# Altium PCB PCB_Final.PcbDoc (part 1 of 2) (continued)
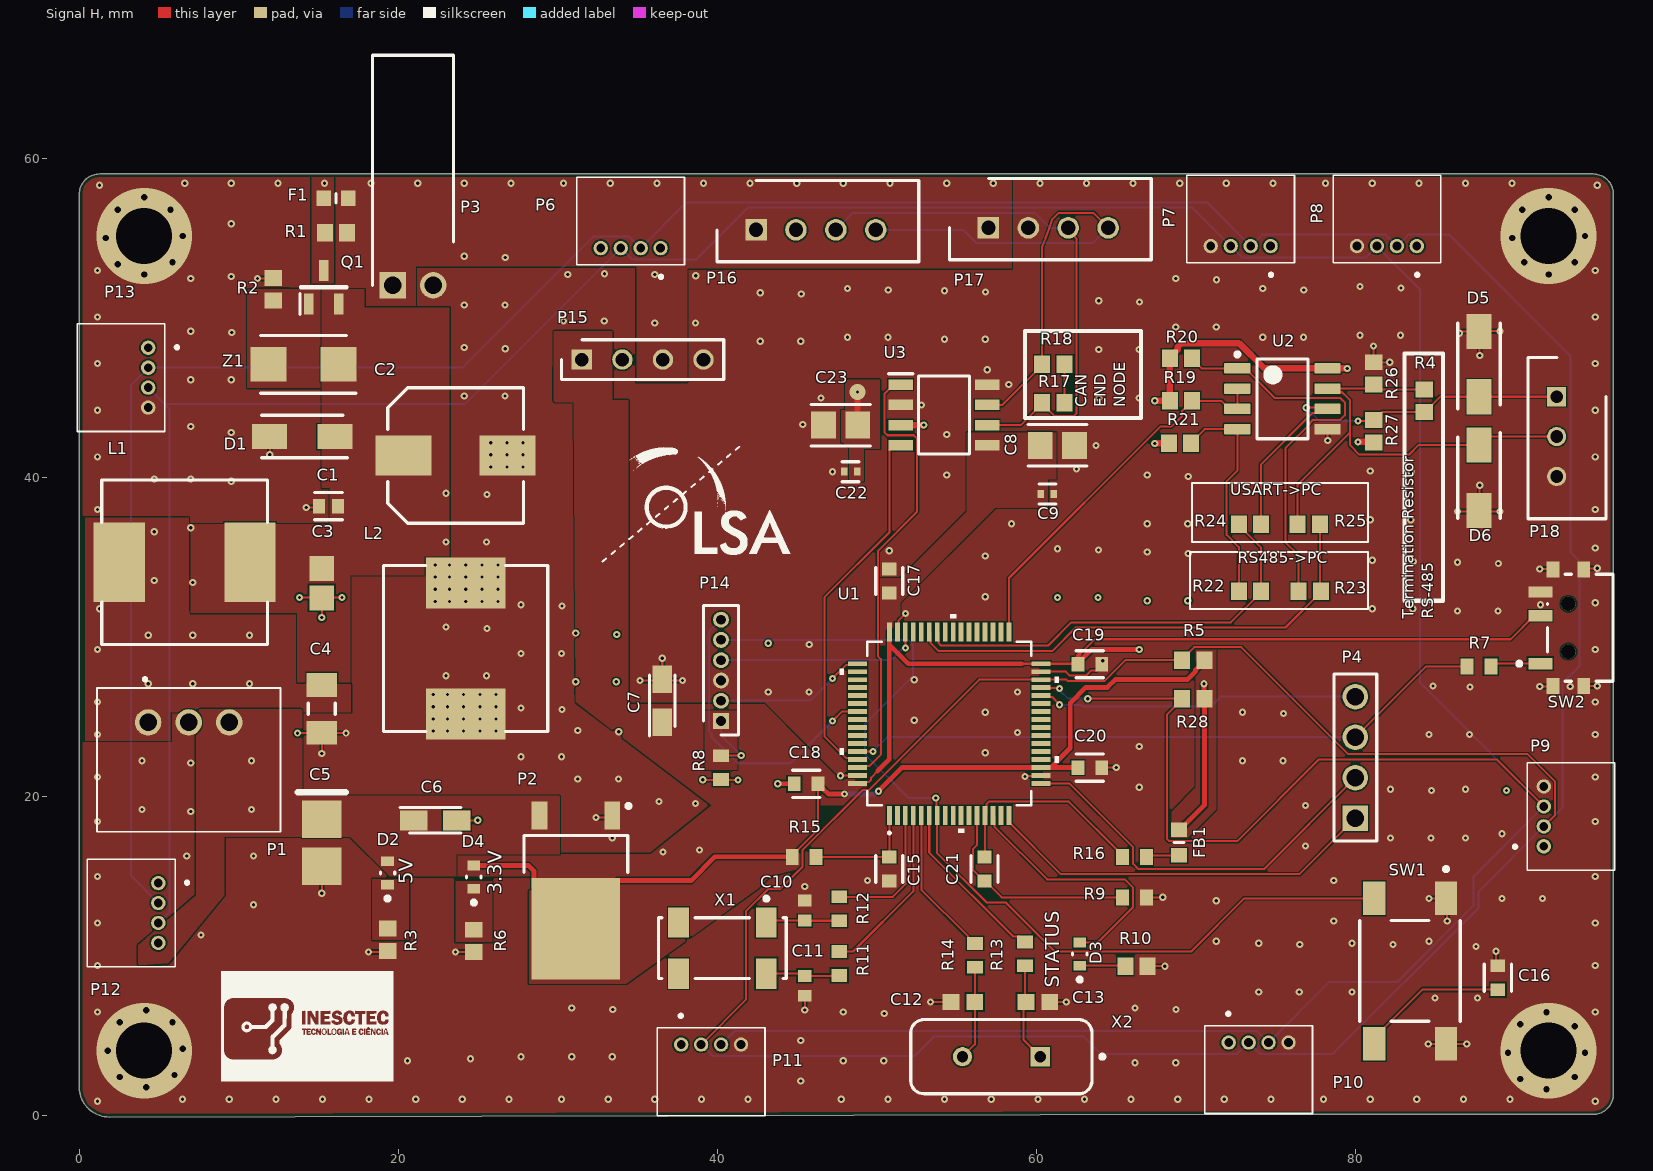
[diagram p0: Signal H view]
## Footprints (in the part's own frame and the unit in brackets; to place one, negate y for a bottom-side part, rotate by r counter-clockwise, add the part's x,y. Pads: shape width x height; smd on the part's side, far side on the other; paste and mask are expansions set on the pad) (continued)
  rect 0.7x1.5 smd paste+0 mask+0: 1(-2.25,2.5) 2(0.75,2.5) 3(2.25,2.5)
  rect 1x0.8 smd paste+0 mask+0: 4(-3.65,1.715) 5(3.65,1.715) 6(-3.65,-0.215) 7(3.65,-0.215)
  round 0.9 hole 0.9 unplated paste-1000 mask+0: ""(-1.5,0.75) ""(1.5,0.75)
  silkscreen extent -3.35,-2.05 3.35,3.95, body extent -4.25,-2.15 4.25,3.35, height 0.25
FUSC1608X95N [mm]
  rect 0.93x0.97 smd: 1(-0.77,0) 2(0.77,0)
  silkscreen extent 0,-0.3 0,0.3, body extent -0.8,-0.45 0.8,0.45, height 0.9
HDRV4W66P0X254_1X4_1016X249X838P [mm]
  rect 1.275x1.275 hole 0.85: 1(0,0)
  round 1.275 hole 0.85: 2(2.54,0) 3(5.08,0) 4(7.62,0)
  silkscreen extent -1.27,-1.25 8.89,1.25, body extent -1.27,-1.24 8.89,1.24, height 8.38
HDRV6W30P0X127_1X6_762X210X430P [mm]
  rect 1x1 hole 0.6: 1(0,0)
  round 1 hole 0.6: 2(1.27,0) 3(2.54,0) 4(3.81,0) 5(5.08,0) 6(6.35,0)
  silkscreen extent -0.88,-1.1 7.23,1.1, body extent -0.64,-1.05 6.98,1.05, height 4
LQFP64-10x10mm [mil]
  rect 47x12 smd paste+0 mask+0: 1(-226.38,147.64) 2(-226.38,127.95) 3(-226.38,108.27) 4(-226.38,88.58) 5(-226.38,68.9) 6(-226.38,49.21) 7(-226.38,29.53) 8(-226.38,9.84) 9(-226.38,-9.84) 10(-226.38,-29.53) 11(-226.38,-49.21) 12(-226.38,-68.9) 13(-226.38,-88.58) 14(-226.38,-108.27) 15(-226.38,-127.95) 16(-226.38,-147.64) 33(226.38,-147.64) 34(226.38,-127.95) 35(226.38,-108.27) 36(226.38,-88.58) 37(226.38,-68.9) 38(226.38,-49.21) 39(226.38,-29.53) 40(226.38,-9.84) 41(226.38,9.84) 42(226.38,29.53) 43(226.38,49.21) 44(226.38,68.9) 45(226.38,88.58) 46(226.38,108.27) 47(226.38,127.95) 48(226.38,147.64)
  rect 12x47 smd paste+0 mask+0: 17(-147.64,-226.38) 18(-127.95,-226.38) 19(-108.27,-226.38) 20(-88.58,-226.38) 21(-68.9,-226.38) 22(-49.21,-226.38) 23(-29.53,-226.38) 24(-9.84,-226.38) 25(9.84,-226.38) 26(29.53,-226.38) 27(49.21,-226.38) 28(68.9,-226.38) 29(88.58,-226.38) 30(108.27,-226.38) 31(127.95,-226.38) 32(147.64,-226.38) 49(147.64,226.38) 50(127.95,226.38) 51(108.27,226.38) 52(88.58,226.38) 53(68.9,226.38) 54(49.21,226.38) 55(29.53,226.38) 56(9.84,226.38) 57(-9.84,226.38) 58(-29.53,226.38) 59(-49.21,226.38) 60(-68.9,226.38) 61(-88.58,226.38) 62(-108.27,226.38) 63(-127.95,226.38) 64(-147.64,226.38)
  silkscreen extent -273,-270 270,270, body extent -236,-236 236,236, height 63
NIC-CAPA2-8X10_V [mm] "Aluminum Electrolytic Capacitor, Diameter 8mm, Height 10.8mm, Pitch 6.5mm"
  rect 3.5x2.5 smd: 1(-3.25,0) 2(3.25,0)
  silkscreen extent -4.25,-4.25 4.25,4.25, body extent -3.99,-3.97 3.99,4, height 10.8
RESC1608X55X25ML10T15 [mm] "Chip Resistor, 2-Leads, Body 1.60x0.80mm, IPC Low Density"
  rect 0.8x1 smd: 1(-0.75,0) 2(0.75,0)
  body extent -0.85,-0.45 0.85,0.45, height 0.55
RESC1608X55X30ML20T20 [mm] "Chip Resistor, 2-Leads, Body 1.60x0.80mm, IPC Low Density"
  rect 1x1.1 smd: 1(-0.7,0) 2(0.7,0)
  body extent -0.9,-0.5 0.9,0.5, height 0.55
SHDR3W60P0X250_1X3_990X490X590P [mm]
  rect 1.2x1.2 hole 0.8: 1(0,0)
  round 1.2 hole 0.8: 2(-2.5,0) 3(-5,0)
  silkscreen extent -7.65,-3.1 2.45,1.8, body extent -7.45,-2.45 2.45,2.45, height 5.9
SHDR4W70P0X250_1X4_1240X490X610P [mm]
  rect 1.35x1.35 hole 0.9: 1(0,0)
  round 1.35 hole 0.9: 2(-2.5,0) 3(-5,0) 4(-7.5,0)
  silkscreen extent -10.2,-3.1 2.45,2, body extent -9.95,-2.45 2.45,2.45, height 6.1
SHDRRA2W64P0X254_1X2_508X1170X580P [mm]
  rect 1.65x1.65 hole 1.1: 1(0,0)
  round 1.65 hole 1.1: 2(2.54,0)
  silkscreen extent -1.27,0 3.81,14.42, body extent -1.27,-0.17 3.81,14.57, height 5.67
SOIC127P600X175-8N [mm]
  rect 1.525x0.65 smd: 1(-2.712,1.905) 2(-2.712,0.635) 3(-2.712,-0.635) 4(-2.712,-1.905) 5(2.712,-1.905) 6(2.712,-0.635) 7(2.712,0.635) 8(2.712,1.905)
  silkscreen extent -3.47,-2.45 1.6,2.58, body extent -3,-2.45 3,2.45, height 1.75
SOT95P237X112-3N [mm]
  rect 1.3x0.6 smd: 1(-1.05,0.95) 2(-1.05,-0.95) 3(1.05,0)
  silkscreen extent -1.7,-1.46 0.05,1.5, body extent -1.18,-1.46 1.18,1.46, height 1.12
TO228P991X238-3N [mm]
  rect 1.75x1 smd: 1(-4.7,2.285) 3(-4.7,-2.285)
  rect 6.35x5.55 smd: 4(2.4,0)
  silkscreen extent -5.42,-3.25 -1.15,3.43, body extent -4.95,-3.29 4.95,3.29, height 2.3
V78052000 [mm]
  round 1.65 hole 1.1: 1(0,0) 2(2.54,0) 3(5.08,0)
  silkscreen extent -3.21,-6.85 8.29,2.8, body extent -3.21,-6.85 8.29,2.15, height 17.6

## Part data
C1: library part CMP-2006-02256-2, "CAP CER 4.7UF 6.3V X5R 0603", Manufacturer=Kemet, Manufacturer Part Number=C0603C475K9PACTU, Package=C0603-CG, Temperature="-55°C to +85°C", Temperature Characteristic=X5R, Temperature Coefficient=15%, Temperature Range High=+85°C, Temperature Range Low=-55°C, Tolerance=10%, Voltage Rating=6.3V, Automotive=No, Capacitance=4.7uF, Category=Cap, ComponentLink2Description=Datasheet, ComponentLink2URL=https://content.kemet.com/datasheets/KEM_C1006_X5R_SMD.pdf, Device Class L1="Passive Components", Device Class L2=Capacitors, Device Class L3="Ceramic Capacitors", Digikey Description="CAP CER 4.7UF 6.3V X5R 0603", Height=0.9mm, Ipc Land Pattern Name=CAPC16080X80, Lead Free=Yes, Material=Ceramic, Mouser Description="Multilayer Ceramic Capacitors MLCC - SMD/SMT 6.3volts 4.7uF X5R 10%", Octopart=https://octopart.com/c0603c475k9pactu-kemet-104242, RoHS=TRUE
C2: library part CMP-0687-00068-1, "Aluminum Electrolytic Capacitor, UD Series, Low Impedance, 330 uF, 25 V, + / - 20%, -55 to 105 degC, Chip Type, 8 x 10 mm D x L, Pb-Free, Reel", Manufacturer=Nichicon, PartNumber=UUD1E331MNL1GS, Rated Capacitance="330 uF", Rated Ripple Current (at 100kHz)="450 mA", Rated Voltage="25 V", Tolerance Rated Capacitance="-20 to 20%", ComponentLink1Description="Manufacturer URL", ComponentLink1URL=http://www.nichicon.co.jp/, ComponentLink2Description=Datasheet, ComponentLink2URL=http://products.nichicon.co.jp/en/pdf/XJA043/e-ud.pdf, ComponentLink3Description="Package Specification", ComponentLink3URL=http://products.nichicon.co.jp/en/pdf/XJA043/e-ud.pdf, DatasheetVersion=08/2012, Diameter="8 mm", Endurance Time="5000 h", Impedance="0.17 Ohm", Length="10 mm", Mounting Technology="Surface Mount", PackageDescription="2-Pin Surface Mount Device, Diameter 8 mm, Height 10 mm, Pitch 6.5 mm", PackageReference=CAPAE-D8H10, Packing="Dia382mm Reel", RoHS=TRUE
C3: library part CMP-2007-04514-1, Manufacturer="AVX Interconnect / Elco", Part Number=08053C225KAT2A
C4: library part CMP-2000-04991-1, "Chip Capacitor, 1 uF, +/- 10%, 25 V, -55 to 125 degC, 1206 (3216 Metric), RoHS, Tape and Reel", Capacitance=1uF, Capacitance - nF=1000nF, Case Code - in=1206, Case Code - mm=3216, Case Height=1.6mm, Case Length=3.2mm, Dielectric=X7R, Manufacturer=Kemet, Maximum Operating Temperature=+125C, Minimum Operating Temperature=-55C, Operating Temperature Range=-55Cto+125C, Package / Case=1206(3216metric), Package Description="2-Pin Surface Mount Device, Body 3.2 x 1.6 mm", Temperature Coefficient / Code=+/-15%, Tolerance=10%, Voltage Rating=25V, Brand=Kemet, Case Width=1.6mm, Class=Class1, Datasheet URL=https://ciiva.com/datasheet-click-18194173?src=ciiva&sig=6daff8c4, Datasheet Version=Jul-14, Dimensions=1.6mmWx3.2mmLx1.6mmH, Factory Pack Quantity=2000, Manufacturer URL=http://www.kemet.com/, Package Reference=1206, Packaging=Reel, Product=GeneralTypeMLCCs, Product Category=MultilayerCeramicCapacitorsMLCC-SMD/SMT, RoHS=Details, Series=C1206C, Termination Style=SMD/SMT, Type=SMDMLCCX7R6.3-250VDCCommericalGrade, Voltage Rating Dc=25V
C5: library part CMP-2100-03689-1, "Standard Tantalum, 22 uF, +/- 10%, 16 V, -55 to 125 degC, 2-Pin SMD (1210), RoHS, Tape and Reel", Case Code (Imperial)=1210, Case Code (Metric)=3528, Dielectric Material=Tantalum, ESR (Equivalent Series Resistance)=2.3Ohm, Leakage Current=3.5uA, Manufacturer=AVX, Max Operating Temperature=125degC, Min Operating Temperature=-55degC, Package Description="2-Pin Surface Mount Device, Body 3.5 x 2.85 mm", Package Quantity=1, Package Reference=TAJ-B-2, Tolerance=10%, Voltage=16V, Capacitance=22uF, Case/Package=1210, Datasheet URL=http://datasheets.avx.com/TAJ.pdf, Datasheet Version=42401.0, Depth=2.8mm, Dissipation Factor=6%, Height=1.9mm, Height - Seated (Max)=0.083inch, Lead Free=LeadFree, Length=3.5mm, Manufacturer URL=http://www.avx.com/, Number of Pins=2, Packaging=TapeandReel, Polarity=Polar, Radiation Hardening=No, REACH SVHC=NoSVHC, RoHSCompliant=True, Termination=SMD/SMT, Voltage Rating=16V, Voltage Rating (DC)=16V, Width=2.8mm
C6 C7: library part T491A106K020AT, "Capacitor Polarised", Manufacturer_Name=Kemet, Mouser Part Number=80-T491A106K020AT, Arrow Part Number=T491A106K020AT, Arrow Price/Stock=https://www.arrow.com/en/products/t491a106k020at/kemet-corporation, Datasheet Link=https://4donline.ihs.com/images/VipMasterIC/IC/KEME/KEME-S-A0006487387/KEME-S-A0006487387-1.pdf?hkey=52A5661711E402568146F3353EA87419, Height=1.8mm, Manufacturer_Part_Number=T491A106K020AT, Mouser Price/Stock=https://www.mouser.co.uk/ProductDetail/KEMET/T491A106K020AT?qs=TooEEMgOWu79qKWrUr4%2FRg%3D%3D
C8 C23: library part CMP-08246-003443-1, "Multilayer Ceramic Capacitors 10uF ±10% 16V X5R SMD 1206", Case Code (Imperial)=1206, Case Code (Metric)=3216, Dielectric=X5R, Dielectric Material=Ceramic, Max Operating Temperature=85°C, Min Operating Temperature=-55°C, Package Quantity=1, Tolerance=10%, Voltage=16V, Capacitance=10uF, Case/Package=1206, Construction=Flat, Depth=1.6mm, Height=1.6mm, Lead Free="Lead Free", Length=3.2mm, Mount="Surface Mount", Packaging="Tape and Reel", Radiation Hardening=No, REACH SVHC="No SVHC", Resistor Type=Ceramic, RoHS Compliant=Yes, Series=C, Termination=SMD/SMT, Thickness=0.071inch, Voltage Rating=16V, Voltage Rating (DC)=16V, Weight=0.000571oz, Width=0.063inch
C9 C22: library part CMP-2100-03641-2, "CAP CER 0.1UF 16V X7R 0402", Capacitance=0.10μF, Manufacturer=Murata, Manufacturer Part Number=GRM155R71C104KA88D, Package=GRM15, Temperature="-55°C to +125°C", Temperature Characteristic=X7R, Temperature Range High=+125°C, Temperature Range Low=-55°C, Tolerance=10%, Voltage Rating=16Vdc, Category=Cap, ComponentLink2Description=Datasheet, ComponentLink2URL=https://search.murata.co.jp/Ceramy/image/img/A01X/G101/ENG/GRM155R71H471KA01-01A.pdf, Device Class L1="Passive Components", Device Class L2=Capacitors, Device Class L3="Ceramic Capacitors", Digikey Description="CAP CER 0.1UF 16V X7R 0402", Height=0.55mm, Ipc Land Pattern Name=CAPC10050X219, Lead Free=yes, Material=Ceramic, Mouser Description="0402 0.1 uF 16V ±10 % Tolerance X7R SMT Multilayer Ceramic Capacitor", Octopart=https://octopart.com/grm155r71c104ka88d-murata-196880, RoHS=TRUE, Standoff Height=0mm
C10 C11: library part CMP-2006-02448-1, "0603", Manufacturer=Murata, Part Number=GQM1885C2A4R3BB01D
C12 C13: library part CMP-2006-04264-1, Manufacturer="AVX Interconnect / Elco", Part Number=06035A200JAT2A
C15: library part CMP-1035-02737-2, "CAP CER 1UF 16V X5R 0603", Manufacturer=YAGEO, Manufacturer Part Number=CC0603KRX5R7BB105, Package=CC0603-DA, Temperature="-55°C to +125°C", Temperature Characteristic=X5R, Temperature Coefficient=15%, Temperature Range High=+125°C, Temperature Range Low=-55°C, Tolerance=0.1, Voltage="16 V", Automotive=No, Capacitance="1 uF", Category=Cap, ComponentLink2Description=Datasheet, ComponentLink2URL=http://www.yageo.com/documents/recent/UPY-GPHC_X7R_6.3V-to-50V_18.pdf, Device Class L1="Passive Components", Device Class L2=Capacitors, Device Class L3="Ceramic Capacitors", Digikey Description="CAP CER 1UF 16V X5R 0603", Footprint Url=http://www.yageo.com/exep/pages/download/literatures/UPY-C_GEN_24.pdf, Height=0.9mm, Lead Free=Yes, Material=Ceramic, Mouser Description="Multilayer Ceramic Capacitors MLCC - SMD/SMT 1.0uF 16V X5R 10%", Octopart=https://octopart.com/cc0603krx5r7bb105-yageo-8376530, RoHS=TRUE, Voltage Rating="16 V"
C16 C17 C18 C19 C20 C21: library part CMP-2100-03601-2, "CAP CER 0.1UF 50V X7R 0603", Manufacturer=YAGEO, Manufacturer Part Number=CC0603KRX7R9BB104, Package=CC0603-DA, Temperature="-55°C to +125°C", Temperature Characteristic=X7R, Temperature Coefficient=15%, Temperature Range High=+125°C, Temperature Range Low=-55°C, Tolerance=0.1, Voltage="50 V", Automotive=No, Capacitance="100 nF", Category=Cap, ComponentLink2Description=Datasheet, ComponentLink2URL=http://www.yageo.com/documents/recent/UPY-GPHC_X7R_6.3V-to-50V_18.pdf, Device Class L1="Passive Components", Device Class L2=Capacitors, Device Class L3="Ceramic Capacitors", Digikey Description="CAP CER 0.1UF 50V X7R 0603", Footprint Url=http://www.yageo.com/exep/pages/download/literatures/UPY-C_GEN_24.pdf, Height=0.9mm, Lead Free=Yes, Material=Ceramic, Mouser Description="Multilayer Ceramic Capacitor, CC Series, 0.1 - F, - 10%, X7R, 50 V, 0603 [1608 Metric]", Octopart=https://octopart.com/cc0603krx7r9bb104-yageo-42244635, RoHS=TRUE, Voltage Rating="50 V"
D1 D5 D6: "TVS Diode (Uni-directional)", Manufacturer_Name=Vishay, Manufacturer_Part_Number=SMAJ8.5A-M3/61, Datasheet Link=http://www.alldatasheet.com/view.jsp?Searchword=SMAJ8.5A-M3/61, Height=2.29mm
D2 D3 D4: library part CMP-02520-000009-1, "LED GREEN 0603 SMD", Ambient Temperature Range High=+100°C, Ambient Temperature Range Low=-40°C, Colour="Pure green", Forward Current=20mA, Forward Voltage=2.1V, Manufacturer=Vishay, Manufacturer Part Number=TLMP1100-GS08, Max Junction Temp=+120°C, Package=6.541-5056.01-4, Power Dissipation=90mW, Reverse Voltage=6V, Temperature="to +120°C", Automotive=Yes, Automotive Grade="Grade 3", Category=Diode, ComponentLink2Description=Datasheet, ComponentLink2URL=http://www.vishay.com/docs/83173/tlmb1100.pdf, Device Class L1=Optoelectronics, Device Class L2=LEDs, Device Class L3=unset, Digikey Description="LED GREEN 0603 SMD", Height=0.65mm, Lead Free=Yes, Led Orientation="Top View", Luminous Intensity=15mcd, Mouser Description="Standard LEDs - SMD Pure Green", Octopart=https://octopart.com/tlmp1100-gs08-vishay-55433993, Peak Emmision Wavelength=562nm, RoHS=TRUE, Temperature Range High=+120°C, Viewing Angle=160°, Wavelength=561nm
F1: "Fuse", Manufacturer_Name=Bourns, Mouser Part Number=652-SF-0603SA200M-2, Datasheet Link=https://www.bourns.com/docs/product-datasheets/sf-0603sa-m.pdf?sfvrsn=b5654bf6_7, Height=0.95mm, Manufacturer_Part_Number=SF-0603SA200M-2, Mouser Price/Stock=https://www.mouser.co.uk/ProductDetail/Bourns/SF-0603SA200M-2?qs=ljCeji4nMDnUko368dFg%2Fg%3D%3D
FB1: library part MMZ1608S601ATD25, "Ferrite Bead", Manufacturer_Name=TDK, Mouser Part Number=810-MMZ1608S601ATD25, Arrow Part Number=MMZ1608S601ATD25, Arrow Price/Stock=https://www.arrow.com/en/products/mmz1608s601atd25/tdk, Datasheet Link=https://datasheet.datasheetarchive.com/originals/dk/DKDS-25/489214.pdf, Height=0.95mm, Manufacturer_Part_Number=MMZ1608S601ATD25, Mouser Price/Stock=https://www.mouser.co.uk/ProductDetail/TDK/MMZ1608S601ATD25?qs=pvNC7ksEVIeMnkuqWHgErw%3D%3D
L1 L2: library part CMP-1387-00004-1, "SMD Power Inductor WE-PD HV, L=1000 µH", Inductance="1000 ÂµH", Manufacturer="Wuerth Elektronik", PartNumber=7687714102, ComponentLink1Description="Manufacturer URL", ComponentLink1URL=http://www.we-online.com, ComponentLink2Description=Datasheet, ComponentLink2URL=http://www.we-online.de/katalog/media/pdf/7687714102.pdf, PackageReference=1060
P1: "Power Supply", Manufacturer_Name="CUI Inc.", Mouser Part Number=490-V7805-2000, Arrow Part Number=V7805-2000, Arrow Price/Stock=https://www.arrow.com/en/products/v7805-2000/cui-inc?region=nac, Datasheet Link=https://componentsearchengine.com/Datasheets/1/V7805-2000.pdf, Height=17.5mm, Manufacturer_Part_Number=V7805-2000, Mouser Price/Stock=https://www.mouser.co.uk/ProductDetail/CUI-Inc/V7805-2000?qs=WyjlAZoYn5278Y2RvahTNg%3D%3D
P2: library part LM1117DT-3.3_NOPB, "Integrated Circuit", Arrow Part Number=LM1117DT-3.3/NOPB, Manufacturer_Name="Texas Instruments", Mouser Part Number=926-LM1117DT-3.3NOPB, Arrow Price/Stock=https://www.arrow.com/en/products/lm1117dt-3.3nopb/texas-instruments, Datasheet Link=https://datasheet.datasheetarchive.com/originals/distributors/Datasheets-SFU2/DSASFU100036103.pdf, Height=2.38mm, Manufacturer_Part_Number=LM1117DT-3.3/NOPB, Mouser Price/Stock=https://www.mouser.co.uk/ProductDetail/Texas-Instruments/LM1117DT-33-NOPB?qs=X1J7HmVL2ZHOT670myqy2w%3D%3D
P3: "Connector", Manufacturer_Name=Molex, Mouser Part Number=538-22-12-4022, Datasheet Link=https://www.molex.com/pdm_docs/sd/022124022_sd.pdf, Height=5.8mm, Manufacturer_Part_Number=22-12-4022, Mouser Price/Stock=https://www.mouser.co.uk/ProductDetail/Molex/22-12-4022?qs=SdQWveS8jHPGKP%2Fe4QVy2w%3D%3D
P4: library part CMP-1502-01064-1, "THT Vertical Pin Header WR-PHD, Pitch 2.54 mm, Single Row, 4 pins", Contact Resistance=20mOhm, Manufacturer="Wurth Elektronik", Operating temperature=-40to105degC, Package Reference=61300411121, Rated Current=3A, Withstanding Voltage=500VAC, Working Voltage=250VAC, Datasheet URL=https://katalog.we-online.de/em/datasheet/6130xx11121.pdf, Gender=Male, Manufacturer URL=http://www.we-online.de, Mounting Technology=THT, Orientation=Vertical, Packaging=Bag, Part Number=61300411121, Pin Number=4, Pitch=2.54mm, Publisher=WurthElektronik, Row Number=Single
P6 P7 P8 P9 P10 P11 P12 P13: "Connector", Manufacturer_Name=Molex, Mouser Part Number=538-53048-0410, Datasheet Link=https://www.molex.com/pdm_docs/sd/530480410_sd.pdf, Height=3.7mm, Manufacturer_Part_Number=53048-0410, Mouser Price/Stock=https://www.mouser.co.uk/ProductDetail/Molex/53048-0410?qs=359VwiUTsp2msj5Tobchuw%3D%3D
P14: library part M50-3530642, "Connector", Manufacturer_Name=Harwin, Mouser Part Number=855-M50-3530642, Datasheet Link=https://cdn.harwin.com/pdfs/M50-353.pdf, Height=4.3mm, Manufacturer_Part_Number=M50-3530642, Mouser Price/Stock=https://www.mouser.co.uk/ProductDetail/Harwin/M50-3530642?qs=%252BdQmOuGyFcHPs2UJx%2F79Cg%3D%3D
P15: "Connector", Manufacturer_Name=Molex, Mouser Part Number=538-22-28-4046, Datasheet Link=https://componentsearchengine.com/Datasheets/1/22-28-4046.pdf, Height=8.38mm, Manufacturer_Part_Number=22-28-4046, Mouser Price/Stock=https://www.mouser.co.uk/ProductDetail/Molex/22-28-4046?qs=GAPJcf4kvdtZsXSzVDpHFw%3D%3D
P16 P17: "Connector", Manufacturer_Name=Molex, Mouser Part Number=538-22-03-5045, Datasheet Link=https://componentsearchengine.com/Datasheets/2/22-03-5045.pdf, Height=6.1mm, Manufacturer_Part_Number=22-03-5045, Mouser Price/Stock=https://www.mouser.co.uk/ProductDetail/Molex/22-03-5045?qs=ZDXmSm13592ymm0ujoo9aQ%3D%3D
P18: "Connector", Manufacturer_Name=Molex, Mouser Part Number=538-22-03-5035, Datasheet Link=http://www.molex.com/pdm_docs/sd/022035035_sd.pdf, Height=5.9mm, Manufacturer_Part_Number=22-03-5035, Mouser Price/Stock=https://www.mouser.co.uk/ProductDetail/Molex/22-03-5035?qs=VKrXD49J9Ep%252Bv2WwbOoiPA%3D%3D
Q1: "Integrated Circuit", Manufacturer_Name=Vishay, Mouser Part Number=78-SI2301BDS-T1-BE3, Arrow Part Number=SI2301BDS-T1-BE3, Arrow Price/Stock=https://www.arrow.com/en/products/si2301bds-t1-be3/vishay?region=nac, Datasheet Link=https://www.arrow.com/en/products/si2301bds-t1-be3/vishay?region=nac, Height=1.12mm, Manufacturer_Part_Number=SI2301BDS-T1-BE3, Mouser Price/Stock=https://www.mouser.co.uk/ProductDetail/Vishay-Siliconix/SI2301BDS-T1-BE3?qs=CiayqK2gdcLKGqyOqDFpxQ%3D%3D
R1 R2 R3 R4 R5 R6 R10 R17 R18 R19 R20 R21 R22 R23 R24 R25 R26 R27 R28: library part CMP-2000-00897-1, Manufacturer=Panasonic, Part Number=ERA3AEB122V
R7 R8: library part CMP-2000-05022-1, "Resistor, 10 kOhm, +/- 5%, 100 mW, -55 to 155 degC, 0603 (1608 Metric), RoHS, Tape and Reel", Case Code - in=0603, Case Code - mm=1608, Manufacturer=Yageo, Operating Temperature Range=-55Cto+155C, Package Description="2-Pin Surface Mount Device, Body 1.6 x 0.8 mm", Package Reference=603, Power Rating=100mW, Resistance=10kOhms, Temperature Coefficient=100PPM/C, Tolerance=5%, Voltage Rating=50V, Datasheet URL=http://www.farnell.com/datasheets/443971.pdf, Datasheet Version="Rev. 4, 04/2009", Manufacturer URL=http://www.yageo.com/, Packaging=Reel, Product=ThickFilmResistorsGeneralPurpose, Series=RC, Termination Style=SMD/SMT
R9 R11 R12 R13 R14 R15 R16: library part CMP-2100-03667-1, "Chip Resistor, 0 Ohm, +/- 5%, 0.1 W, -55 to 155 degC, 0603 (1608 Metric), RoHS, Tape and Reel", Case Code (Imperial)=0603, Case Code (Metric)=1608, Manufacturer=Yageo, Max Operating Temperature=155degC, Min Operating Temperature=-55degC, Package Description="2-Pin Surface Mount Device, Body 1.6 x 0.8 mm", Package Quantity=5000, Power Rating=100mW, Resistance=0mOhm, Temperature Coefficient=200ppm/degreesC, Tolerance=5%, Voltage Rating=50V, Case/Package=0603, Composition=ThickFilm, Contact Plating=Tin, Datasheet URL=http://www.yageo.com/NewPortal/yageodocoutput?fileName=/pdf/R-Chip/PYu-RC_Group_51_RoHS_L_5.pdf, Datasheet Version="Rev. 5, 10/2016", Depth=0.8mm, Height=0.45mm, Lead Free=LeadFree, Length=1.6mm, Manufacturer URL=http://www.yageo.com/, Military Standard=Not, Number of Pins=2, Package Reference=0603, Packaging=TapeandReel, Radiation Hardening=No, REACH SVHC=NoSVHC, RoHSCompliant=true, Termination=SMD/SMT, Voltage Rating (DC)=50V, Width=0.8mm
SW1: library part CMP-03402-000005-1, "SWITCH TACTILE SPST-NO 0.05A 24V", Contact Current Rating=50mA, Contact Resistance=100mΩ, Manufacturer="TE Connectivity", Manufacturer Part Number=1571563-9, Operating Force=160gf, Package=SMT_SW_6MM0_6MM0, Temperature="-35°C to +85°C", Temperature Range High=+85°C, Temperature Range Low=-35°C, Voltage Rating Dc=24V, Automotive=No, Category=Switch, ComponentLink2Description=Datasheet, ComponentLink2URL=https://www.te.com/commerce/DocumentDelivery/DDEController?Action=showdoc&DocId=Customer+Drawing%7F2-1437565-7%7FV%7Fpdf%7FEnglish%7FENG_CD_2-1437565-7_V.pdf%7F1571563-9, Device Class L1=Electromechanical, Device Class L2=Switches, Device Class L3="Pushbutton Switches", Digikey Description="SWITCH TACTILE SPST-NO 0.05A 24V", Electromechanical Life=100000Cycles, Height=9.75mm, Lead Free=Yes, Mount="Surface Mount", Mouser Description="Tactile Switches SPST OFF(ON) RND SMT MINI PB TACT SWITCH", Octopart=https://octopart.com/1571563-9-te+connectivity-41253969, RoHS=TRUE, Standoff Height=0.05mm, Throw Configuration=SPST-NO
SW2: library part CMP-2000-06884-2, "SWITCH SLIDE SPDT 300MA 6V", Contact Current Rating=300mA, Contact Resistance=70mR, Insulation Resistance=100mR, Max Operating Temperature=85°C, Max Voltage Rating (DC)=6V, Min Operating Temperature=-20°C, Package Quantity=1, Actuator Length=1.5mm, Actuator Material=Nylon, Actuator Type=Standard, Contact Material="Copper Alloy", Contact Plating=Silver, Current Rating=300mA, Depth=5mm, Lead Free="Lead Free", Length=7.7mm, Max Current Rating=300mA, Mechanical Life=10000Cycles, Mount="Surface Mount", Orientation="Right Angle", Packaging="Tape and Reel", REACH SVHC="No SVHC", Switch Function=On-On, Switch Travel=1.5mm, Termination="Gull Wing", Throw Configuration=SPDT, Voltage Rating (AC)=6V, Voltage Rating (DC)=6V, Width=6.7mm
U1: "No Description Available", Mfr_Name=STMicroelectronics, Copyright="Copyright (C) 2021 Ultra Librarian. All rights reserved.", Manufacturer_Part_Number=STM32F103RBT6, RefDes=RefDes, Type=DEV
U2: library part CMP-0310-00139-2, "Differential Bus Transceiver, 1 TX / 1 RX, 5V, 0 to 70 degC, 8-Pin SOIC (D), Green (RoHS & no Sb/Br)", Drivers Per Package=1, Manufacturer="Texas Instruments", Rating=Catalog, Supply Voltage(s)(V)=5, # of TX/RX="1 TX / 1 RX", Code_JEDEC=MS-012AA, ComponentLink1Description=Datasheet, ComponentLink1URL=http://www.ti.com/general/docs/lit/getliterature.tsp?genericPartNumber=SN75176A&fileType=pdf, ComponentLink2Description="Package Specification", ComponentLink2URL=http://www.ti.com/lit/ml/msoi002j/msoi002j.pdf, DatasheetVersion=SLLS100A, Eco-Plan="Green (RoHS & no Sb/Br)", ESD(kV)=2, ICC(Max)(mA)=50, Isolated=No, Mounting Technology="Surface Mount", PackageDescription="8-Pin Plastic Small Outline Integrated Circuit, 4.9 x 3.9 mm, Pitch 1.27 mm Pitch", PackageReference=D0008A, PackageVersion="revM, Jun-2011", PartNumber=SN75176AD, Receivers Per Package=1, SubFamily=RS-422
U3: library part TJA1051T_3_CM,118, "Integrated Circuit", Arrow Part Number=TJA1051T/3/CM,118, Manufacturer_Name=NXP, Mouser Part Number=771-TJA1051T/3CM118, Arrow Price/Stock=https://www.arrow.com/en/products/tja1051t3cm118/nxp-semiconductors?region=nac, Datasheet Link=http://www.nxp.com/docs/en/data-sheet/TJA1051.pdf, Height=1.75mm, Manufacturer_Part_Number=TJA1051T/3/CM,118, Mouser Price/Stock=https://www.mouser.co.uk/ProductDetail/NXP-Semiconductors/TJA1051T-3-CM118?qs=5XOdhvmYM0NUkmo%252BpXvJfw%3D%3D
X1: library part CMP-2000-05036-1, "Low Frequency Crystal, 32.768 KHz, 6 pF, +/- 20 ppm, -40 to 85 degC, 4-Pin SMD, RoHS, Tape and Reel", Case Height=2.5mm, Case Length=8mm, Case Width=3.8mm, Frequency=32.768kHz, Load Capacitance=6pF, Manufacturer=Abracon, Operating Temperature Range=-40Cto+85C, Package / Case=8mmx3.8mm, Package Description="4-Pin Surface Mount Device, Body 8 x 3.8 mm, Pitch 5.5 mm", Package Reference=ABS25, Tolerance=20PPM, Brand=ABRACON, Datasheet URL=https://datasheet.ciiva.com/854/abs25-854528.pdf, Datasheet Version=Jun-17, Dimensions=3.8mmWx8mmLx2.5mmH, ESR=50kOhms, Factory Pack Quantity=3000, Manufacturer URL=http://www.abracon.com/, Mounting Style=SMD/SMT, Packaging=Reel, Product Category=Crystals, RoHS=Details, Series=ABS25, Termination Style=SMD/SMT, Type=LowFrequencyCrystal
X2: library part CMP-1749-00003-1, "Resistance Weld Thru-Hole Crystal, 16 MHz, -20 to 70 degC, 2-Pin THD, RoHS, Bulk", Case\Package=Axial, Max Operating Temperature="155 degC", Min Operating Temperature="-55 degC", Package Quantity=200, Power Rating="250 mW", Resistance="221 kohm", Tolerance=1%, Voltage Rating="250 V", ComponentLink1Description="Manufacturer URL", ComponentLink1URL=http://www.foxonline.com/, ComponentLink2Description=Datasheet, ComponentLink2URL=http://www.foxonline.com/pdfs/hc49slf.pdf, DatasheetVersion=Mar-15, Length="0.248 inch", Mount="Through Hole", PackageDescription="2-Pin Through Hole Device, Body 11.35 x 4.65 mm", PackageReference=FOXSLF160-20, Packaging=Bulk, RoHSCompliant=true
Z1: "Zener Diode", Manufacturer_Name="ON Semiconductor", Mouser Part Number=863-1SMB5921BT3G, Arrow Part Number=1SMB5921BT3G, Arrow Price/Stock=https://www.arrow.com/en/products/1smb5921bt3g/on-semiconductor, Datasheet Link=http://www.onsemi.com/pub/Collateral/1SMB5913BT3-D.PDF, Height=2.47mm, Manufacturer_Part_Number=1SMB5921BT3G, Mouser Price/Stock=https://www.mouser.co.uk/ProductDetail/ON-Semiconductor/1SMB5921BT3G?qs=vLkC5FC1VN%2FJmQCOkKzbLQ%3D%3D

## Via types
v1: diameter 0.45, hole 0.2, Signal H to Signal L, 430 vias
v2: diameter 0.8, hole 0.4, Signal H to Signal L, 32 vias
v3: diameter 6, hole 3.5, Signal H to Signal L, 4 vias
v4: diameter 1, hole 0.2, Signal H to Signal L, 1 vias

## Nets (pads, with @x,y where several pads share a name; then routed paths per layer and width w, separated by ;. In a path a pad name is that pad's centre, name@x,y a point inside that pad or via, vN(x,y) a via of type N, cw(c..) or ccw(c..) an arc to the next point about the centre after c; other vN are vias at no path point)
+3.3V: C7.1 C8.1 C9.2 C17.1 C18.2 C19.2 C20.2 D4.2 FB1.1 P2.4 P15.1 R5.2 R15.1 R28.2 SW2.2 U1.19 U1.32 U1.48 U1.64 U3.5 | length 133.3
  Signal H w0.125: U1.64@48.764,20.809 48.85,20.895 49.47,20.895 49.624,21.048 49.624,21.176 50.038,21.59
  Signal H w0.127: R15.1@44.672,16.212 44.672,16.312 46.299,17.939 C18.2@46.299,20.734 ; C17.1@50.756,32.746 C17.1@50.806,32.746 ; 59.055,28.309 U1.32@60.264,28.309 C19.2@62.547,28.309 ; 62.666,28.884 63.627,29.845 89.695,29.845 SW2.2@91.163,31.313
  Signal H w0.3: D4.2@24.721,15.667 28.148,15.667 28.49,15.325 28.49,14.322 P2.4@31.115,11.697 31.115,12.097 33.74,14.722 38.336,14.722 39.826,16.212 R15.1@44.672,16.212 ; C18.2@46.299,20.784 46.299,20.734 46.549,20.484 46.599,20.484 46.934,20.149 v1(47.962,20.149) ; 50.038,21.59 50.764,22.316 50.764,29.488 ; v1(50.083,20.315) 51.577,21.809 U1.19@60.264,21.809 62.57,21.809 C20.2@62.579,21.8 ; U1.48@50.764,30.309 50.764,29.488 ; 59.055,28.309 51.943,28.309 50.764,29.488 ; 60.97,21.894 62.107,23.03 62.107,25.846 63.084,26.823 64.433,26.823 64.939,27.33 69.45,27.33 69.956,27.836 69.956,27.931 70.506,28.481 R5.2@70.506,28.531 ; C19.2@62.547,28.309 C19.2@62.561,28.309 ; C19.2@62.579,28.277 C19.2@62.579,28.327 ; 62.666,28.884 ccw(c62.879,28.673) 62.579,28.674 C19.2@62.579,28.327 ; v1(66.421,29.21) 63.462,29.21 C19.2@62.579,28.327 ; FB1.1@68.917,17.901 68.967,17.901 70.506,19.44 R28.2@70.506,26.118 70.485,26.14 v1(70.485,27.051) ; SW2.2@91.163,31.313 SW2.2@91.563,31.313
  Power w0.3: v1(66.421,29.21) 68.58,27.051 v1(70.485,27.051)
  Signal L w0.3: v1(47.962,20.149) 49.877,20.149 50.042,20.315 v1(50.083,20.315)
+5V: C5.1 C6.1 C22.2 C23.1 D2.2 P1.3 P2.3 P6.1 P7.1 P8.1 P9.1 P10.1 P11.1 P12.1 P13.1 P15.2 R19.2 R20.2 R21.2 R27.1 U2.8 U3.3 | length 21.3
  Signal H w0.4: v4(48.768,45.339) 48.768,43.28 C23.1@48.785,43.263 ; U3.3@51.473,43.263 v1(52.915,43.263) ; v1(67.393,42.12) R21.2@68.279,42.12 ; v1(67.393,44.787) R19.2@68.344,44.787 R20.2@68.344,47.454 68.344,47.504 68.844,48.004 68.844,48.17 69.079,48.404 72.672,48.404 74.257,46.819 U2.8@78.219,46.819 v1(79.458,46.819) ; v1(80.123,42.209) 80.759,42.209 R27.1@81.109,42.182
  other v1: 10.795,19.177 10.795,22.225
+12V: F1.1 P3.1 P15.3 P16.1 P17.1 R1.2
AGND: C21.2 R9.2 U1.12 | length 13.6
  Signal H w0.127: U1.12@56.264,18.809 56.264,16.962 56.012,16.71 56.012,15.364 56.675,14.7 C21.2@56.725,14.7 56.775,14.7 57.803,13.672 R9.2@65.373,13.672
AVDD: C21.1 R16.2 U1.13 | length 13.4
  Signal H w0.127: C21.1@56.725,16.2 56.764,16.239 U1.13@56.764,18.809 56.849,18.894 56.849,19.515 57.003,19.67 62.016,19.67 65.373,16.312 R16.2@65.373,16.212
BOOT0: P4.3 R7.2 U1.60 | length 40.4
  Signal H w0.127: U1.60@48.764,22.809 48.768,22.813 49.737,22.813 v1(49.74,22.816) ; P4.3@79.966,23.705 84.411,28.15 R7.2@86.963,28.15
  Signal L w0.127: v1(49.74,22.816) 50.629,23.705 P4.3@79.966,23.705
BOOT1: P4.4 U1.28 | length 20.3
  Signal H w0.127: U1.28@60.264,26.309 60.349,26.225 60.97,26.225 61.424,25.771 v1(61.424,25.737)
  Signal L w0.127: v1(61.424,25.737) 62.766,25.737 62.873,25.63 70.913,25.63 71.528,26.245 P4.4@79.966,26.245